# Allegro board PCIe3_0_X16_V1_0-166-20240802_20240828_pcb.brd (continued)
## Routing (per net, layer and track width the routed paths; a pad name or vN(x,y) marks a point on that pad's centre or on a via; arc(x,y) is an arc through that point)
GND: length 1728.9
  TOP w0.203: U31.4 128.87,95.28 v2(129.14,95.55) ; 135.25,25.98 135.51,25.72 U28.20 ; v2(84.06,25.32) 83.71,25.68 U33.4 ; U23.1 104.31,99.96 104.26,99.91 v2(104.1,99.52) ; v2(92.67,99.52) 92.83,99.91 92.88,99.96 U20.1 ; v2(135.07,22.43) 134.68,22.81 U28.26 ; v2(136.34,22.43) 136.01,22.1 U28.4 ; U34.4 133.2,103.84 U34.11 U34.8 ; U33.8 v2(84.57,26.18)
  TOP w0.305: U1.F38 v1(94.32,82.23) U1.F39 v1(94.32,83.23) ; U1.F38 v1(95.32,81.23) ; U1.F38 v1(94.32,81.23) ; v1(103.32,62.23) U1.R19 v1(104.32,63.23) U1.T20 ; U12.C9 v1(137.29,54.76) ; U1.AD39 v1(113.32,82.23) ; U1.AD39 v1(112.32,83.23) ; U1.AD39 v1(112.32,82.23) ; U1.AD39 v1(113.32,83.23) U1.AE39 ; v1(113.32,82.23) U1.AD38 ; v1(113.32,82.23) U1.AE38 ; v1(113.32,82.23) U1.AE39 ; U5.H9 v1(76.35,85.27) ; U1.AL29 v1(120.32,73.23) ; U1.AF38 v1(114.32,82.23) ; U1.AF38 v1(115.32,81.23) ; U1.AF38 v1(115.32,82.23) ; U1.AF38 v1(114.32,81.23) ; v1(114.32,82.23) U1.AE39 ; v1(114.32,82.23) U1.AF39 ; v1(114.32,82.23) U1.AE38 ; U1.V20 v1(106.32,63.23) U1.U19 v1(105.32,62.23) U1.T18 v1(104.32,61.23) U1.R17 v1(103.32,60.23) ; U1.N36 v1(102.32,80.23) ; v1(102.32,80.23) U1.P37 ; v1(102.32,80.23) U1.N37 ; U1.AU38 v1(126.32,82.23) ; U1.AU38 v1(125.32,81.23) ; U1.AU38 v1(125.32,82.23) ; U1.AU38 v1(126.32,81.23) ; v1(126.32,82.23) U1.AV39 ; v1(126.32,82.23) U1.AV38 ; v1(126.32,82.23) U1.AU39 ; U1.AA39 v1(109.32,82.23) ; U1.AA39 v1(110.32,83.23) U1.AB39 ; U1.AA39 v1(110.32,82.23) ; U1.AA39 v1(109.32,83.23) ; v1(109.32,82.23) U1.Y39 ; v1(109.32,82.23) U1.AA38 ; v1(109.32,82.23) U1.Y38 v1(109.32,81.23) ; U1.U37 v1(106.32,81.23) ; U1.U37 v1(105.32,81.23) ; U1.U37 v1(105.32,80.23) ; v1(106.32,81.23) U1.V38 ; v1(106.32,81.23) U1.V37 v1(107.32,81.23) ; v1(106.32,81.23) U1.U38 ; U1.AV37 v1(127.32,81.23) ; U1.AV37 v1(126.32,80.23) ; U1.AV37 v1(127.32,80.23) ; U1.AV37 v1(126.32,81.23) ; v1(127.32,81.23) U1.AW37 v1(127.32,80.23) ; v1(127.32,81.23) U1.AW38 v1(127.32,82.23) ; v1(127.32,81.23) U1.AV38 ; U10.A8 v1(135.69,79.1) ; U1.U4 v1(105.32,47.23) U1.T3 ; v1(95.32,80.23) U1.F37 ; v1(95.32,80.23) U1.G36 v1(95.32,79.23) ; v1(95.32,80.23) U1.G37 v1(95.32,81.23) ; U1.F37 v1(94.32,80.23) ; U1.F37 v1(95.32,81.23) ; U1.F37 v1(94.32,81.23) ; v1(125.32,81.23) U1.AT38 v1(125.32,82.23) ; v1(125.32,81.23) U1.AU37 ; v1(125.32,81.23) U1.AT37 v1(125.32,80.23) ; U1.AL38 v1(119.32,82.23) ; U1.AL38 v1(119.32,81.23) ; U1.AL38 v1(120.32,82.23) ; U1.AL38 v1(120.32,81.23) ; v1(119.32,82.23) U1.AK38 ; v1(119.32,82.23) U1.AL39 ; v1(119.32,82.23) U1.AK39 v1(118.32,82.23) ; U4.E8 v1(78.75,73.5) ; v1(77.15,60.93) U8.G8 ; v1(116.32,82.23) U1.AH38 ; v1(116.32,82.23) U1.AG39 ; v1(116.32,82.23) U1.AG38 ; v1(116.32,82.23) U1.AH39 v1(117.32,82.23) ; U1.AH38 v1(117.32,81.23) ; U1.AH38 v1(116.32,81.23) ; U1.AH38 v1(117.32,82.23) ; v1(100.32,81.23) U1.M38 v1(100.32,82.23) ; v1(100.32,81.23) U1.M37 ; v1(100.32,81.23) U1.L37 ; v1(100.32,81.23) U1.L38 ; U1.V38 v1(107.32,81.23) ; U1.V38 v1(106.32,82.23) ; U1.V38 v1(107.32,82.23) ; U6.T1 v1(69.15,54.76) ; v1(97.32,77.23) U1.J33 v1(98.32,76.23) ; v1(97.32,77.23) U1.H34 ; v1(97.32,77.23) U1.J34 ; U1.AK33 v1(119.32,77.23) U1.AL34 ; U1.AK33 v1(118.32,76.23) ; U1.AK33 v1(119.32,76.23) ; U6.E3 v1(78.75,53.16) ; U13.D2 v1(138.09,60.93) ; U1.AU21 v1(126.32,65.23) ; U1.AV5 v1(126.32,48.23) ; v1(126.32,48.23) U1.AU4 ; v1(126.32,48.23) U1.AU5 v1(125.32,49.23) ; U1.F6 v1(94.32,49.23) U1.E6 ; C251.2 v1(154.04,95.53) C249.2 ; U1.AG37 v1(115.32,81.23) ; U1.AG37 v1(116.32,80.23) ; U1.AG37 v1(116.32,81.23) ; v1(115.32,81.23) U1.AF37 ; v1(115.32,81.23) U1.AG38 ; U1.T32 v1(105.32,76.23) U1.U32 ; U1.T32 v1(104.32,76.23) U1.R32 v1(103.32,75.23) ; U1.T32 v1(105.32,75.23) ; U1.T2 v1(104.32,45.23) U1.T1 v1(104.32,44.23) ; U1.T2 v1(104.32,46.23) U1.T3 ; U1.T2 v1(105.32,46.23) ; U4.A8 v1(81.95,73.5) ; U11.E1 v1(138.89,34.98) ; U1.W29 v1(107.32,73.23) U1.V30 v1(106.32,74.23) U1.U31 v1(105.32,75.23) ; U11.D8 v1(138.09,41.38) ; U1.T38 v1(105.32,82.23) ; U1.T38 104.32,82.23 ; U1.T38 104.32,81.23 ; U1.T38 v1(105.32,81.23) ; v1(105.32,82.23) U1.U38 ; v1(105.32,82.23) U1.T39 104.32,82.23 ; v1(105.32,82.23) U1.U39 v1(106.32,82.23) ; U1.AE4 v1(114.32,47.23) ; v1(114.32,47.23) U1.AF3 ; v1(114.32,47.23) U1.AE3 v1(114.32,46.23) ; v1(103.32,47.23) U1.R3 v1(103.32,46.23) ; v1(103.32,47.23) U1.P3 ; v1(103.32,47.23) U1.R4 ; v1(109.32,81.23) U1.AA37 ; v1(109.32,81.23) U1.AA38 ; v1(109.32,81.23) U1.Y37 ; U1.D8 v1(92.32,51.23) ; v1(92.32,51.23) U1.C8 v1(91.32,51.23) U1.B8 v1(90.32,51.23) U1.A8 v1(89.32,51.23) ; v1(92.32,51.23) U1.D7 ; U1.K24 v1(98.32,68.23) ; U1.AN3 v1(121.32,46.23) ; U1.AN3 v1(122.32,47.23) U1.AN4 ; U1.AN3 v1(122.32,46.23) ; v1(121.32,46.23) U1.AM3 ; v1(121.32,46.23) U1.AM2 ; v1(79.55,60.93) U8.D8 79.15,61.33 v1(79.55,61.73) ; U12.E1 v1(138.89,47.56) ; U1.W27 v1(107.32,71.23) U1.V28 v1(106.32,72.23) U1.U29 v1(105.32,73.23) U1.T30 v1(104.32,74.23) U1.R31 v1(103.32,75.23) ; U5.E8 v1(78.75,86.07) ; U5.E9 v1(78.75,85.27) ; U1.P3 v1(102.32,46.23) U1.P2 ; U1.P3 v1(103.32,46.23) ; U1.D2 v1(93.32,46.23) ; U1.D2 v1(92.32,46.23) U1.D3 ; U1.D2 v1(92.32,45.23) U1.D1 v1(92.32,44.23) ; v1(93.32,46.23) U1.D3 ; v1(93.32,46.23) U1.E3 ; U1.E6 v1(93.32,50.23) ; U1.E6 v1(93.32,49.23) ; U1.J6 v1(97.32,49.23) U1.H6 ; U1.J6 v1(97.32,50.23) ; U1.J6 v1(98.32,50.23) ; U1.AU39 v1(125.32,83.23) U1.AT39 ; U1.AU39 v1(125.32,82.23) ; U1.A21 v1(89.32,65.23) ; v1(97.32,82.23) U1.J38 U1.K38 ; v1(97.32,82.23) U1.H38 v1(97.32,81.23) ; v1(97.32,82.23) U1.J39 U1.K39 v1(99.32,82.23) ; v1(97.32,82.23) U1.H39 ; C254.2 v2(154.04,91.31) C248.2 ; U1.AM34 v1(121.32,78.23) U1.AN34 ; U1.AM34 v1(120.32,78.23) U1.AL34 ; U1.AM34 v1(120.32,77.23) ; v1(117.32,81.23) U1.AJ37 ; v1(117.32,81.23) U1.AJ38 ; v1(117.32,81.23) U1.AH37 ; U9.T1 v1(148.49,85.27) ; v1(92.32,76.23) U1.C32 v1(91.32,76.23) U1.B32 v1(90.32,76.23) ; v1(92.32,76.23) U1.D33 v1(93.32,76.23) ; v1(92.32,76.23) U1.D32 v1(93.32,76.23) ; U1.AD37 v1(112.32,81.23) ; U1.AD37 v1(112.32,80.23) U1.AC36 ; U1.AD37 v1(113.32,81.23) ; v1(112.32,81.23) U1.AC37 v1(111.32,81.23) ; v1(112.32,81.23) U1.AD38 ; v1(112.32,81.23) U1.AC38 ; v1(117.32,82.23) U1.AJ39 v1(118.32,82.23) ; v1(117.32,82.23) U1.AJ38 ; U1.G34 v1(95.32,78.23) U1.F34 ; U1.G34 v1(95.32,77.23) ; U1.G34 v1(96.32,78.23) U1.H34 ; U7.C9 v1(80.35,34.98) ; U1.AD2 v1(113.32,46.23) U1.AD3 ; U1.AD2 v1(112.32,46.23) ; U1.AD2 v1(112.32,45.23) U1.AD1 v1(112.32,44.23) ; U5.T1 v1(69.15,92.47) ; U1.T34 v1(104.32,78.23) ; U10.E3 v1(138.89,74.3) ; U1.AB6 v1(111.32,49.23) ; v1(114.32,73.23) U1.AE29 v1(113.32,72.23) U1.AD28 v1(112.32,71.23) U1.AC27 v1(111.32,70.23) U1.AB26 v1(110.32,69.23) U1.AA25 v1(109.32,68.23) U1.Y24 ; U11.N1 v1(146.09,34.98) ; v1(116.32,80.23) U1.AH37 ; v1(116.32,80.23) U1.AG36 ; U12.M9 v1(145.29,54.76) ; U1.M28 v1(100.32,72.23) ; v1(121.32,82.23) U1.AM39 v1(120.32,82.23) ; v1(121.32,82.23) U1.AM38 ; v1(121.32,82.23) U1.AN38 v1(121.32,81.23) ; v1(121.32,82.23) U1.AN39 ; U7.H1 v1(76.35,42.18) ; U17.11 54.33,39.08 v1(54.3,39.1) ; U12.A8 v1(135.69,53.96) ; U1.A36 v1(90.32,79.23) U1.B35 v1(91.32,79.23) ; U1.A36 v1(89.32,80.23) U1.A37 v1(89.32,81.23) U1.A38 ; U1.A36 v1(89.32,79.23) U1.A35 v1(90.32,78.23) U1.B34 v1(91.32,78.23) U1.C35 v1(91.32,79.23) ; C413.1 v2(185.98,33.95) ; v1(102.32,55.23) U1.P12 v1(103.32,56.23) U1.R13 v1(104.32,57.23) U1.T14 v1(105.32,58.23) U1.U15 v1(106.32,59.23) U1.V16 v1(107.32,60.23) U1.W17 ; U1.U36 v1(105.32,80.23) ; v1(105.32,80.23) U1.T37 ; U12.E8 v1(138.89,53.96) ; v1(119.32,76.23) U1.AL33 v1(120.32,77.23) ; v1(119.32,76.23) U1.AK32 v1(118.32,76.23) ; U1.J7 v1(98.32,50.23) ; U1.J7 v1(97.32,50.23) ; U1.J7 v1(98.32,51.23) U1.K8 v1(99.32,51.23) ; v1(98.32,50.23) U1.K7 v1(99.32,51.23) ; U1.AC32 v1(112.32,76.23) U1.AD32 ; U1.AC32 v1(112.32,75.23) ; U1.AC32 v1(111.32,76.23) U1.AB32 ; v1(100.32,82.23) U1.L39 v1(99.32,82.23) ; v1(100.32,82.23) U1.L38 ; v1(100.32,82.23) U1.M39 ; U1.AL37 v1(119.32,81.23) ; U1.AL37 v1(120.32,80.23) ; U1.AL37 v1(120.32,81.23) ; v1(119.32,81.23) U1.AK38 ; v1(119.32,81.23) U1.AK37 ; v1(118.32,46.23) U1.AK2 ; v1(118.32,46.23) U1.AJ3 ; v1(118.32,46.23) U1.AK3 v1(119.32,46.23) U1.AK2 ; U1.AK2 v1(118.32,45.23) U1.AK1 ; U1.AE38 v1(114.32,81.23) ; U1.AE38 v1(113.32,81.23) ; v1(114.32,81.23) U1.AF37 ; v1(114.32,81.23) U1.AE37 ; U1.AV18 v1(127.32,61.23) ; U7.G8 v1(77.15,35.78) ; U8.A2 v1(81.95,66.53) ; U1.J36 v1(97.32,80.23) ; v1(97.32,80.23) U1.H37 v1(97.32,81.23) ; v1(97.32,80.23) U1.J37 v1(97.32,81.23) ; U1.H20 v1(96.32,63.23) ; U13.E1 v1(138.89,60.13) ; v1(123.32,80.23) U1.AR37 v1(123.32,81.23) ; v1(123.32,80.23) U1.AR36 ; v1(123.32,80.23) U1.AP37 v1(123.32,81.23) ; U1.U32 v1(105.32,75.23) ; U1.U32 v1(106.32,76.23) U1.V32 ; U1.W19 U1.Y20 v1(109.32,63.23) U1.AA19 v1(110.32,62.23) U1.AB18 v1(111.32,61.23) U1.AC17 v1(112.32,60.23) U1.AD16 v1(113.32,59.23) U1.AE15 v1(114.32,58.23) U1.AF14 ; U1.AG11 v1(116.32,54.23) ; U4.N1 v1(71.55,79.9) ; U1.AK38 v1(118.32,82.23) ; U1.AK38 v1(118.32,81.23) ; U1.R8 v1(104.32,51.23) U1.T8 v1(105.32,52.23) ; U1.R8 v1(103.32,51.23) ; U1.R8 v1(103.32,52.23) U1.R9 v1(104.32,53.23) ; U1.T37 v1(105.32,81.23) ; U1.T37 104.32,81.23 ; v1(105.32,81.23) U1.U38 ; U1.AL6 v1(120.32,49.23) U1.AM6 ; U8.F1 v1(77.95,67.33) ; v1(99.32,75.23) U1.L32 v1(100.32,76.23) U1.M32 ; v1(99.32,75.23) U1.K32 v1(98.32,76.23) ; v1(99.32,75.23) U1.L31 ; C3.2 v2(37.71,103.91) ; v1(112.32,75.23) U1.AD32 ; v1(112.32,75.23) U1.AC31 v1(111.32,74.23) U1.AB30 v1(110.32,73.23) U1.AA29 v1(109.32,72.23) U1.Y28 ; U1.AH37 v1(116.32,81.23) ; U5.E3 v1(78.75,90.87) ; v1(106.32,82.23) U1.V39 v1(107.32,82.23) ; v1(106.32,82.23) U1.U38 ; U1.AD38 v1(113.32,81.23) ; U1.AD38 v1(112.32,82.23) ; U12.H9 v1(141.29,54.76) ; U1.G4 v1(95.32,47.23) ; v1(95.32,47.23) U1.G3 v1(95.32,46.23) ; v1(95.32,47.23) U1.F3 ; U5.A2 v1(81.95,91.67) ; U1.B18 v1(90.32,61.23) ; U9.D2 v1(138.09,86.07) ; U1.AR27 v1(123.32,70.23) ; U1.AL4 v1(120.32,47.23) U1.AM3 ; U7.E9 v1(78.75,34.98) ; v1(103.32,71.23) U1.R27 v1(104.32,70.23) U1.T26 v1(105.32,69.23) U1.U25 v1(106.32,68.23) U1.V24 v1(107.32,67.23) U1.W23 ; U1.R38 104.32,81.23 ; U1.R38 v1(103.32,82.23) ; U1.R38 v1(103.32,81.23) ; 104.32,81.23 U1.R37 ; U1.AV36 v1(127.32,79.23) ; U1.AV36 v1(127.32,80.23) ; U1.AV36 v1(126.32,80.23) ; U1.AV36 v1(126.32,79.23) ; v1(127.32,79.23) U1.AV35 v1(126.32,79.23) ; v1(127.32,79.23) U1.AW36 v1(127.32,80.23) ; v1(127.32,79.23) U1.AW35 ; U12.E9 v1(138.89,54.76) ; U1.AD20 v1(113.32,63.23) U1.AE19 v1(114.32,62.23) ; U1.AJ15 v1(118.32,58.23) ; U1.H34 v1(97.32,78.23) U1.J34 ; U13.H9 v1(141.29,67.33) ; U1.AH34 v1(117.32,78.23) ; U1.Y22 v1(109.32,66.23) U1.AA23 v1(110.32,67.23) U1.AB24 v1(111.32,68.23) U1.AC25 v1(112.32,69.23) U1.AD26 v1(113.32,70.23) U1.AE27 v1(114.32,71.23) ; v1(138.89,86.87) U9.E3 v1(138.89,87.67) ; v1(120.32,77.23) U1.AL34 ; v1(135.69,90.87) U9.A8 v1(135.69,91.67) ; v1(125.32,76.23) U1.AU32 v1(126.32,76.23) U1.AV32 v1(127.32,76.23) U1.AW32 ; v1(125.32,76.23) U1.AT32 ; v1(125.32,76.23) U1.AT33 ; v1(114.32,60.23) U1.AE17 v1(113.32,61.23) U1.AD18 v1(112.32,62.23) U1.AC19 v1(111.32,63.23) U1.AB20 ; v1(118.32,82.23) U1.AJ38 ; U1.V6 v1(106.32,49.23) ; U1.AT33 v1(124.32,77.23) ; U1.AT33 v1(125.32,77.23) ; v1(124.32,77.23) U1.AR34 v1(123.32,78.23) U1.AP34 ; v1(124.32,77.23) U1.AR33 ; v1(107.32,82.23) U1.W38 v1(107.32,81.23) ; v1(107.32,82.23) U1.W39 ; U1.F2 v1(95.32,46.23) ; U1.F2 v1(94.32,45.23) U1.F1 v1(94.32,44.23) ; U1.F2 v1(94.32,46.23) ; v1(95.32,46.23) U1.F3 ; v1(115.32,75.23) U1.AG32 ; v1(115.32,75.23) U1.AG31 ; v1(115.32,75.23) U1.AF32 ; U1.AG32 v1(116.32,76.23) U1.AH32 v1(117.32,76.23) U1.AJ32 v1(118.32,76.23) ; U1.AG32 v1(115.32,76.23) U1.AF32 ; U14.11 v2(56.96,93.1) ; U6.B2 v1(81.15,53.96) ; U10.N1 v1(146.09,72.7) ; v1(93.32,78.23) U1.E34 v1(94.32,77.23) ; U1.AM3 v1(120.32,46.23) ; U10.H1 v1(141.29,72.7) ; v1(107.32,81.23) U1.W37 ; v1(113.32,81.23) U1.AE37 ; v1(91.32,48.23) U1.C4 v1(91.32,47.23) U1.C3 v1(91.32,46.23) U1.B2 v1(90.32,45.23) ; v1(91.32,48.23) U1.B5 ; v1(91.32,48.23) U1.C5 ; U1.AF37 v1(114.32,80.23) ; U12.A2 v1(135.69,48.36) ; R262.1 v2(130.85,22.81) ; U1.AE21 v1(114.32,65.23) ; C394.1 v2(185.98,53) ; U1.Y30 v1(109.32,74.23) U1.AA31 v1(110.32,75.23) ; v1(122.32,44.23) U1.AP1 v1(122.32,45.23) U1.AP2 ; U7.F1 v1(77.95,42.18) ; v1(107.32,46.23) U1.V3 v1(106.32,46.23) U1.V2 ; v1(107.32,46.23) U1.W3 ; v1(107.32,46.23) U1.V2 ; v1(90.32,45.23) U1.A2 v1(89.32,45.23) ; v1(90.32,45.23) U1.B1 v1(90.32,44.23) ; U1.V18 v1(106.32,61.23) U1.U17 v1(105.32,60.23) U1.T16 v1(104.32,59.23) U1.R15 v1(103.32,58.23) ; U1.A4 v1(90.32,48.23) ; U1.A4 v1(89.32,48.23) U1.A5 ; U1.A4 v1(89.32,47.23) U1.A3 ; v1(90.32,48.23) U1.B5 ; v1(90.32,48.23) U1.A5 ; v1(116.32,81.23) U1.AG38 ; U1.U21 v1(105.32,65.23) U1.T22 v1(104.32,66.23) U1.R23 v1(103.32,67.23) ; U4.A2 v1(81.95,79.1) ; v1(122.32,46.23) U1.AP2 ; v1(122.32,46.23) U1.AP3 v1(123.32,46.23) ; U1.AP2 v1(123.32,46.23) ; U12.E3 v1(138.89,49.16) ; U1.AU37 v1(126.32,81.23) ; U1.AU37 v1(126.32,80.23) ; U1.AU37 v1(125.32,80.23) ; v1(126.32,81.23) U1.AV38 ; U1.H30 v1(96.32,74.23) ; U1.E3 v1(93.32,47.23) ; U1.E3 v1(94.32,46.23) ; v1(93.32,47.23) U1.E4 ; v1(93.32,47.23) U1.D3 ; v1(120.32,44.23) U1.AM1 v1(120.32,45.23) U1.AM2 ; v1(103.32,82.23) U1.P39 v1(102.32,82.23) ; v1(103.32,82.23) U1.R39 104.32,82.23 ; v1(103.32,82.23) U1.P38 ; v1(120.32,46.23) U1.AM2 ; v1(120.32,46.23) U1.AL3 ; U1.AM38 v1(120.32,82.23) ; U1.AM38 v1(121.32,81.23) ; U1.AM38 v1(120.32,81.23) ; U1.AF39 v1(115.32,82.23) ; U1.AF39 v1(114.32,83.23) U1.AE39 ; v1(115.32,82.23) U1.AG38 ; U1.E37 v1(94.32,81.23) ; U1.E37 v1(93.32,81.23) ; U1.E37 v1(94.32,80.23) ; U1.E37 v1(93.32,80.23) ; U6.D2 v1(79.55,53.96) ; v1(111.32,82.23) U1.AB38 ; v1(111.32,82.23) U1.AC39 ; v1(111.32,82.23) U1.AB39 ; v1(111.32,82.23) U1.AC38 ; U1.AB38 v1(111.32,81.23) ; U1.AB38 v1(110.32,82.23) ; U1.AB38 v1(110.32,81.23) ; U1.AF24 v1(114.32,67.23) U1.AE23 v1(113.32,66.23) U1.AD22 v1(112.32,65.23) U1.AC21 ; U5.K1 v1(73.95,92.47) ; U9.C9 v1(137.29,92.47) ; v1(111.32,81.23) U1.AC38 ; v1(111.32,81.23) U1.AB37 v1(110.32,81.23) ; U4.E3 v1(78.75,78.3) ; U1.AV28 v1(126.32,71.23) ; v1(118.32,81.23) U1.AJ38 ; v1(118.32,81.23) U1.AJ37 ; v1(118.32,81.23) U1.AK37 ; v1(126.32,79.23) U1.AU36 ; v1(126.32,79.23) U1.AU35 v1(125.32,79.23) U1.AU36 ; U1.AV39 v1(127.32,83.23) ; U1.AV39 v1(127.32,82.23) ; U1.AF34 v1(115.32,78.23) ; U13.A8 v1(135.69,66.53) ; v1(90.32,49.23) U1.A5 ; v1(90.32,49.23) U1.B6 ; v1(90.32,49.23) U1.B5 ; v1(103.32,54.23) U1.R11 v1(104.32,55.23) U1.T12 v1(105.32,56.23) U1.U13 v1(106.32,57.23) U1.V14 ; U1.AR3 v1(124.32,46.23) ; U1.AR3 v1(124.32,47.23) ; U1.AR3 v1(123.32,46.23) ; v1(124.32,46.23) U1.AT2 ; v1(124.32,46.23) U1.AT3 ; U1.AD6 v1(113.32,49.23) ; v1(114.32,46.23) U1.AF3 ; v1(114.32,46.23) U1.AF2 ; U1.Y34 v1(109.32,78.23) U1.AA35 v1(110.32,79.23) ; U9.E9 v1(138.89,92.47) ; U8.C9 v1(80.35,60.13) ; v1(90.32,82.23) U1.B39 v1(90.32,83.23) ; v1(90.32,82.23) U1.B38 v1(91.32,81.23) U1.C37 ; v1(90.32,82.23) U1.A38 ; U1.W35 v1(107.32,79.23) ; U1.AC39 v1(111.32,83.23) U1.AB39 ; U1.AC39 v1(112.32,82.23) ; U1.AB32 v1(110.32,76.23) U1.AA32 ; U1.AB32 v1(110.32,75.23) ; U1.AG21 v1(116.32,65.23) ; v1(123.32,81.23) U1.AR38 v1(123.32,82.23) ; v1(123.32,81.23) U1.AP38 v1(123.32,82.23) ; v1(99.32,82.23) U1.L38 ; v1(99.32,82.23) U1.K38 ; U1.K2 v1(98.32,45.23) U1.K1 v1(98.32,44.23) ; U1.K2 v1(99.32,46.23) ; U1.K2 v1(98.32,46.23) ; v1(112.32,46.23) U1.AD3 ; v1(112.32,46.23) U1.AC3 ; U1.AU36 v1(126.32,80.23) ; U1.AU36 v1(125.32,80.23) ; U1.AB2 v1(111.32,46.23) U1.AB3 v1(110.32,46.23) ; U1.AB2 v1(110.32,45.23) U1.AB1 v1(110.32,44.23) ; U1.AB2 v1(110.32,46.23) ; U1.AJ3 v1(118.32,47.23) U1.AJ4 ; U1.AJ3 v1(117.32,46.23) ; U13.K9 v1(143.69,67.33) ; U1.F3 v1(94.32,46.23) ; J3.1 v1(44.04,96.68) ; U1.L38 v1(99.32,81.23) ; U7.A2 v1(81.95,41.38) ; v1(118.32,51.23) U1.AK7 v1(119.32,51.23) U1.AK8 v1(118.32,51.23) ; v1(118.32,51.23) U1.AJ8 v1(117.32,51.23) U1.AH8 v1(116.32,51.23) U1.AG8 v1(115.32,51.23) U1.AF8 ; U10.E8 v1(138.89,79.1) ; U1.AU11 v1(126.32,54.23) ; U1.AM16 v1(121.32,59.23) ; C250.2 v1(154.04,82.5) ; U1.AB39 v1(110.32,82.23) ; U5.A8 v1(81.95,86.07) ; U1.AW15 v1(128.32,59.23) ; U1.F16 v1(95.32,59.23) ; U1.M3 v1(100.32,46.23) U1.M2 v1(100.32,45.23) U1.M1 v1(100.32,44.23) ; U1.M3 v1(101.32,47.23) ; U1.M3 v1(101.32,46.23) U1.N3 v1(101.32,47.23) ; v1(114.32,56.23) U1.AE13 v1(113.32,57.23) U1.AD14 v1(112.32,58.23) U1.AC15 v1(111.32,59.23) ; U1.J34 v1(98.32,77.23) U1.K33 v1(98.32,76.23) ; U1.V32 v1(107.32,76.23) U1.W32 v1(107.32,75.23) ; U1.V32 v1(107.32,75.23) ; U6.N1 v1(71.55,54.76) ; U13.B2 v1(136.49,60.93) ; U13.K1 v1(143.69,60.13) ; U9.K1 v1(143.69,85.27) ; U6.E1 v1(78.75,54.76) ; U4.E1 v1(78.75,79.9) ; U1.AN13 v1(122.32,56.23) ; U1.AN37 v1(121.32,81.23) ; v1(121.32,81.23) U1.AM37 ; U1.P6 v1(102.32,49.23) ; U1.M6 v1(100.32,49.23) ; v1(120.32,80.23) U1.AM37 ; v1(120.32,80.23) U1.AL36 ; U9.F1 v1(139.69,85.27) ; U1.P2 v1(103.32,46.23) ; U1.P2 v1(102.32,45.23) U1.P1 v1(102.32,44.23) ; U1.AC38 v1(112.32,82.23) ; v1(94.32,80.23) U1.E36 v1(93.32,80.23) ; U1.H6 v1(96.32,49.23) U1.G6 ; U1.H6 v1(97.32,50.23) ; v1(110.32,81.23) U1.AA37 ; v1(110.32,81.23) U1.AA38 ; U1.Y14 v1(109.32,57.23) U1.AA13 v1(110.32,56.23) U1.AB12 v1(111.32,55.23) U1.AC11 v1(112.32,54.23) ; R279.2 v1(130.85,92.13) ; U1.AM26 v1(120.32,69.23) ; U1.AT2 v1(124.32,45.23) U1.AT1 v1(124.32,44.23) ; U1.AT2 v1(125.32,46.23) ; U1.J27 v1(97.32,71.23) ; U1.AT3 v1(124.32,47.23) ; U1.AT3 v1(125.32,46.23) ; v1(124.32,47.23) U1.AR4 v1(124.32,48.23) ; v1(125.32,82.23) U1.AT39 ; U1.AJ36 v1(118.32,80.23) ; v1(118.32,80.23) U1.AK37 ; v1(118.32,80.23) U1.AJ37 ; U8.H1 v1(76.35,67.33) ; U1.AM37 v1(120.32,81.23) ; U1.AM37 v1(121.32,80.23) U1.AN36 ; U4.T1 v1(69.15,79.9) ; U1.P37 v1(103.32,81.23) ; U1.P37 v1(103.32,80.23) ; v1(103.32,81.23) U1.P38 ; v1(103.32,81.23) U1.R37 ; v1(93.32,81.23) U1.D37 ; v1(93.32,81.23) U1.D38 ; U8.E9 v1(78.75,60.13) ; U5.D2 v1(79.55,91.67) ; U6.K1 v1(73.95,54.76) ; U7.T1 v1(69.15,42.18) ; v1(116.32,46.23) U1.AH3 v1(117.32,46.23) ; v1(116.32,46.23) U1.AG3 ; v1(116.32,46.23) U1.AH2 ; U6.M9 v1(72.35,47.56) ; U4.C9 v1(80.35,72.7) ; U1.W25 v1(107.32,69.23) U1.V26 v1(106.32,70.23) U1.U27 v1(105.32,71.23) U1.T28 v1(104.32,72.23) U1.R29 ; U1.AT39 v1(124.32,83.23) ; U12.H1 v1(141.29,47.56) ; U8.E3 v1(78.75,65.73) ; U1.J4 v1(97.32,47.23) ; v1(97.32,47.23) U1.J3 v1(98.32,46.23) ; v1(97.32,47.23) U1.H3 v1(96.32,46.23) U1.H2 v1(96.32,45.23) U1.H1 ; U1.Y26 v1(109.32,70.23) U1.AA27 v1(110.32,71.23) U1.AB28 v1(111.32,72.23) U1.AC29 v1(112.32,73.23) U1.AD30 v1(113.32,74.23) U1.AE31 v1(114.32,75.23) ; U1.AT24 v1(124.32,68.23) ; U1.U11 v1(106.32,55.23) U1.V12 v1(107.32,56.23) U1.W13 ; U13.E3 v1(138.89,61.73) ; v1(110.32,75.23) U1.AA32 ; v1(98.32,46.23) U1.K3 v1(99.32,46.23) ; U13.A2 v1(135.69,60.93) ; U1.AA5 v1(110.32,48.23) ; U1.G23 v1(95.32,67.23) ; U1.AM6 v1(121.32,49.23) U1.AN6 v1(122.32,49.23) U1.AP6 v1(123.32,49.23) U1.AR6 v1(124.32,50.23) ; U1.AM6 v1(120.32,50.23) U1.AL7 ; U1.F34 v1(94.32,77.23) ; U1.F34 v1(95.32,77.23) ; v1(94.32,77.23) U1.E33 v1(93.32,76.23) ; U6.D8 v1(79.55,48.36) ; U1.AK12 v1(118.32,56.23) ; U7.H9 v1(76.35,34.98) ; U1.AF6 v1(115.32,49.23) ; v1(128.32,51.23) U1.AW8 v1(127.32,51.23) U1.AV8 ; U4.D2 v1(79.55,79.1) ; U1.AA37 v1(109.32,80.23) U1.Y36 ; U9.K9 v1(143.69,92.47) ; U1.AL19 v1(120.32,62.23) ; D2.1 v2(43.55,104.48) ; U1.AF2 v1(114.32,45.23) U1.AF1 v1(114.32,44.23) ; U1.AF2 v1(115.32,46.23) ; v1(110.32,82.23) U1.AA38 ; U1.AG3 v1(116.32,47.23) U1.AG4 v1(116.32,48.23) ; U1.AG3 v1(115.32,46.23) ; v2(59.4,23.44) C341.2 58.72,23.44 U19.2 55.83,23.44 v2(55.58,23.18) ; U12.D8 v1(138.09,53.96) ; U7.A8 v1(81.95,35.78) ; U12.K1 v1(143.69,47.56) ; v1(111.32,59.23) U1.AB16 v1(110.32,60.23) U1.AA17 v1(109.32,61.23) U1.Y18 ; v1(111.32,59.23) U1.AB15 v1(111.32,58.23) U1.AB14 v1(111.32,57.23) U1.AC13 v1(112.32,56.23) U1.AD12 v1(113.32,55.23) U1.AE11 v1(114.32,54.23) ; U8.B2 v1(81.15,66.53) ; v1(92.32,50.23) U1.D7 ; U1.D7 v1(93.32,50.23) ; U7.D8 v1(79.55,35.78) ; v1(110.32,53.23) U1.AA10 v1(110.32,54.23) U1.AA11 v1(109.32,55.23) U1.Y12 ; U7.E8 v1(78.75,35.78) ; U1.N25 v1(101.32,69.23) ; U8.K9 v1(73.95,60.13) ; v1(116.32,50.23) U1.AH6 v1(117.32,49.23) ; U8.K1 v1(73.95,67.33) ; v1(102.32,82.23) U1.P38 ; v1(102.32,82.23) U1.N39 ; v1(102.32,82.23) U1.N38 ; U11.K9 v1(143.69,42.18) ; v1(99.32,80.23) U1.K37 v1(99.32,81.23) ; v1(99.32,80.23) U1.L36 ; v1(99.32,80.23) U1.L37 ; v1(123.32,82.23) U1.AP39 v1(123.32,83.23) U1.AR39 v1(123.32,82.23) ; J3.20 v1(49.28,82.68) ; v1(91.32,79.23) U1.C36 v1(91.32,80.23) U1.C37 ; U1.F26 v1(94.32,70.23) ; U11.E9 v1(138.89,42.18) ; U1.AB34 v1(111.32,78.23) ; U1.AF3 v1(115.32,46.23) ; v1(103.32,69.23) U1.R25 v1(104.32,68.23) U1.T24 v1(105.32,67.23) U1.U23 v1(106.32,66.23) U1.V22 v1(107.32,65.23) U1.W21 ; U1.K38 v1(99.32,81.23) ; U4.H1 v1(76.35,79.9) ; U18.2 C329.2 v2(59.4,19.5) ; U11.T1 v1(148.49,34.98) ; U13.T1 v1(148.49,60.13) ; U1.W31 v1(107.32,75.23) ; v1(114.32,75.23) U1.AE32 v1(113.32,76.23) U1.AD32 ; v1(114.32,75.23) U1.AF32 ; U10.F1 v1(139.69,72.7) ; U10.A2 v1(135.69,73.5) ; C403.1 v2(205.74,35.13) ; v1(95.32,77.23) U1.G33 ; U1.B28 v1(90.32,72.23) ; v1(99.32,46.23) U1.L3 v1(99.32,47.23) U1.L4 ; U1.T3 v1(105.32,46.23) ; v1(117.32,46.23) U1.AH2 ; U1.AL9 v1(120.32,52.23) ; U8.E1 v1(78.75,67.33) ; U11.B2 v1(136.49,35.78) ; U7.E3 v1(78.75,40.58) ; v1(128.32,45.23) U1.AW2 v1(128.32,46.23) U1.AW3 ; U1.A31 v1(90.32,74.23) ; U1.V2 v1(106.32,45.23) U1.V1 v1(106.32,44.23) ; v1(101.32,47.23) U1.N4 ; U1.AH18 v1(117.32,61.23) ; U11.K1 v1(143.69,34.98) ; U1.C37 v1(92.32,81.23) ; U10.E9 v1(138.89,79.9) ; U4.D8 v1(79.55,73.5) ; v1(125.32,51.23) U1.AT7 v1(124.32,50.23) ; v1(125.32,51.23) U1.AT8 ; v1(125.32,51.23) U1.AU8 ; U1.AH2 v1(116.32,45.23) U1.AH1 v1(116.32,44.23) ; v1(99.32,51.23) U1.L8 v1(100.32,51.23) U1.M8 v1(101.32,51.23) U1.N8 ; U2.H4 v1(115.95,103.46) ; U6.E8 v1(78.75,48.36) ; J3.19 v1(44.04,82.28) ; U1.P34 v1(103.32,78.23) ; J3.26 v1(49.28,87.48) ; U1.AK22 v1(119.32,66.23) ; J3.7 v1(44.04,91.88) ; v1(127.32,82.23) U1.AV38 ; U1.L11 v1(99.32,54.23) ; U5.D8 v1(79.55,86.07) ; U1.AT14 v1(125.32,57.23) ; U1.AD3 v1(112.32,47.23) U1.AC4 ; U7.B2 v1(81.15,41.38) ; U7.K1 v1(73.95,42.18) ; U1.AE37 v1(114.32,80.23) ; U2.H2 v1(117.95,102.46) ; v1(124.32,50.23) U1.AR7 ; U8.H9 v1(76.35,60.13) ; v1(93.32,50.23) U1.E7 ; U1.AU3 v1(125.32,46.23) ; U2.H6 v1(114.95,103.46) ; v1(93.32,80.23) U1.D37 ; U10.E1 v1(138.89,72.7) ; U1.A38 v1(89.32,82.23) ; C412.1 v2(130.85,21.79) ; U1.AA32 v1(109.32,76.23) U1.Y32 ; U1.A32 v1(89.32,76.23) ; U1.AP10 v1(123.32,53.23) ; U6.H9 v1(76.35,47.56) ; U5.H1 v1(76.35,92.47) ; U13.E8 v1(138.89,66.53) ; v1(122.32,67.23) U1.AN23 v1(122.32,66.23) ; v1(108.32,44.23) U1.Y1 v1(108.32,45.23) U1.Y2 v1(109.32,46.23) U1.Y3 v1(109.32,47.23) U1.Y4 ; U1.L37 v1(99.32,81.23) ; U1.W10 v1(107.32,54.23) U1.W11 ; U1.AE25 v1(113.32,68.23) U1.AD24 v1(112.32,67.23) U1.AC23 v1(111.32,66.23) U1.AB22 v1(110.32,65.23) U1.AA21 ; U4.M9 v1(72.35,72.7) ; U15.11 54.43,65.52 v2(54.3,65.65) ; v1(110.32,46.23) U1.AA3 ; U10.T1 v1(148.49,72.7) ; U11.E8 v1(138.89,41.38) ; U13.E9 v1(138.89,67.33) ; J3.23 v1(49.28,85.08) ; U1.V34 v1(106.32,78.23) ; U1.E19 v1(93.32,62.23) ; U1.P22 v1(103.32,65.23) U1.R21 ; U6.F1 v1(77.95,54.76) ; U2.B2 v1(118.95,96.46) ; U10.C9 v1(137.29,79.9) ; U1.AE36 v1(114.32,80.23) ; C432.1 v2(204.87,65.67) ; v1(92.32,83.23) U1.D39 v1(92.32,82.23) U1.D38 ; U6.C9 v1(80.35,47.56) ; U1.D22 v1(92.32,66.23) ; U8.E8 v1(78.75,60.93) ; U12.N1 v1(146.09,47.56) ; U5.G8 v1(77.15,86.07) ; U8.D2 v1(79.55,66.53) ; U4.B2 v1(81.15,79.1) ; U12.G8 v1(140.49,53.96) ; U1.D38 v1(92.32,81.23) ; v1(92.32,81.23) U1.D37 ; U1.R37 v1(103.32,80.23) ; U11.H9 v1(141.29,42.18) ; U1.AU31 v1(125.32,74.23) ; U1.L21 v1(100.32,65.23) ; U9.G8 v1(140.49,91.67) ; U13.M9 v1(145.29,67.33) ; C18.2 v2(63.37,108) ; U1.R36 v1(103.32,80.23) ; U1.AJ25 v1(117.32,69.23) ; U1.N15 v1(101.32,58.23) ; U6.A2 v1(81.95,53.96) ; U11.H1 v1(141.29,34.98) ; U9.N1 v1(146.09,85.27) ; U9.H9 v1(141.29,92.47) ; U1.AD34 v1(113.32,78.23) ; U4.H9 v1(76.35,72.7) ; U1.G13 v1(96.32,57.23) ; U5.M9 v1(72.35,85.27) ; U8.N1 v1(71.55,67.33) ; U7.E1 v1(78.75,42.18) ; J3.32 v1(49.28,92.28) ; U1.AR17 v1(124.32,60.23) ; U1.M34 v1(100.32,78.23) ; U5.C9 v1(80.35,85.27) ; U13.G8 v1(140.49,66.53) ; U1.P32 v1(103.32,75.23) ; U1.P32 v1(102.32,75.23) U1.N32 v1(102.32,76.23) U1.P32 ; U1.D12 v1(93.32,55.23) ; U1.E9 v1(94.32,52.23) ; C255.2 v1(154.04,86.82) C256.2 ; v1(105.32,46.23) U1.U3 ; J3.16 v1(44.04,84.68) ; U10.G8 v1(140.49,79.1) ; U7.D2 v1(79.55,41.38) ; U6.E9 v1(78.75,47.56) ; J3.13 v1(44.04,87.08) ; U9.A2 v1(135.69,86.07) ; J3.38 v1(49.28,97.08) ; U6.A8 v1(81.95,48.36) ; U11.E3 v1(138.89,36.58) ; U1.K14 v1(98.32,57.23) ; v1(77.15,73.5) U4.G8 ; U13.F1 v1(139.69,60.13) ; U8.T1 v1(69.15,67.33) ; U1.AW25 v1(127.32,69.23) ; U12.D2 v1(138.09,48.36) ; U13.N1 v1(146.09,60.13) ; U7.M9 v1(72.35,34.98) ; U12.K9 v1(143.69,54.76) ; U13.C9 v1(137.29,67.33) ; U9.H1 v1(141.29,85.27) ; U1.A11 v1(89.32,54.23) ; U5.F1 v1(77.95,92.47) ; U5.N1 v1(71.55,92.47) ; U5.K9 v1(73.95,85.27) ; D4.1 v2(47.23,104.48) ; U4.K1 v1(73.95,79.9) ; v1(138.09,66.53) U13.D8 v1(138.09,65.73) ; U1.AW5 v1(128.32,48.23) U1.AW4 ; U11.D2 v1(138.09,35.78) ; U4.K9 v1(73.95,72.7) ; U1.J17 v1(98.32,61.23) ; U1.AA8 v1(110.32,51.23) ; U1.W5 v1(107.32,48.23) ; U1.M18 v1(101.32,61.23) ; U12.F1 v1(139.69,47.56) ; U1.C15 v1(91.32,58.23) ; U10.D8 v1(138.09,79.1) ; U7.N1 v1(71.55,42.18) ; U11.A8 v1(135.69,41.38) ; U11.A2 v1(135.69,35.78) ; U8.A8 v1(81.95,60.93) ; U8.M9 v1(72.35,60.13) ; U1.AE9 v1(114.32,52.23) ; U10.B2 v1(136.49,73.5) ; C385.1 v2(183.95,98.25) ; U10.M9 v1(145.29,79.9) ; U6.K9 v1(73.95,47.56) ; U4.E9 v1(78.75,72.7) ; U12.T1 v1(148.49,47.56) ; U11.C9 v1(137.29,42.18) ; U10.H9 v1(141.29,79.9) ; U10.K1 v1(143.69,72.7) ; U1.T6 v1(104.32,49.23) ; U9.B2 v1(136.49,86.07) ; U1.Y6 v1(109.32,49.23) ; U9.M9 v1(145.29,92.47) ; U4.F1 v1(77.95,79.9) ; U10.D2 v1(138.09,73.5) ; U16.11 v2(56.96,53.33) ; U1.H10 v1(96.32,53.23) ; U6.H1 v1(76.35,54.76) ; U5.E1 v1(78.75,92.47) ; U5.B2 v1(81.15,91.67) ; U1.C25 v1(91.32,69.23) ; U1.AP30 v1(123.32,74.23) ; U9.E1 v1(138.89,85.27) ; U9.E8 v1(138.89,91.67) ; U12.B2 v1(136.49,48.36) ; J3.35 v1(49.28,94.68) ; D1.1 v2(39.99,104.48) ; J3.4 v1(44.04,94.28) ; D3.1 v2(50.91,104.48) ; U6.G8 v1(77.15,48.36) ; U7.K9 v1(73.95,34.98) ; U10.K9 v1(143.69,79.9) ; U1.W8 v1(107.32,51.23) ; U9.D8 v1(138.09,91.67) ; U13.H1 v1(141.29,60.13) ; U1.AH28 v1(117.32,72.23) ; U1.AP20 v1(123.32,63.23) ; U11.G8 v1(140.49,41.38) ; U11.M9 v1(145.29,42.18) ; U11.F1 v1(139.69,34.98)
  TOP w0.381: P2.B52 98.65,6.51 v1(98.16,7) v1(98.16,8.02) ; v2(36.71,54.99) v2(37.47,54.99) P1.B14 ; v1(102.16,8.02) v1(102.16,7) 102.65,6.51 P2.B56 ; v1(120.16,8.02) v1(120.16,7) 119.65,6.49 P2.B73 ; v1(87.16,8.02) v1(87.16,7) 86.65,6.49 P2.B40 ; v1(71.16,8.02) v1(71.16,7) 71.65,6.51 P2.B25 ; P2.B36 82.65,6.49 v1(83.16,7) v1(83.16,8.02) ; P2.B69 115.65,6.49 v1(116.16,7) v1(116.16,8.02) ; v1(122.16,8.02) v1(122.16,7) 122.65,6.51 P2.B76 ; U1.E29 v1(93.32,72.23) ; v1(112.16,8.02) v1(112.16,7) 111.65,6.49 P2.B65 ; v1(104.16,8.02) v1(104.16,7) 103.65,6.49 P2.B57 ; P2.B77 123.65,6.49 v1(124.16,7) v1(124.16,8.02) ; P1.A1 v2(32.24,73.64) ; C420.2 v2(135.63,17.98) ; v2(36.71,71.64) v2(37.47,71.64) P1.A17 ; C305.2 v1(58.42,66.73) ; v1(124.32,83.23) U1.AR39 ; P2.B68 114.65,6.51 v1(114.16,7) v1(114.16,8.02) ; v2(36.71,69.24) v2(37.47,69.24) P1.A14 ; P2.B32 78.65,6.51 v1(78.16,7) v1(78.16,8.02) ; v1(100.16,8.02) v1(100.16,7) 99.65,6.49 P2.B53 ; v2(52.6,22.53) 52.5,22.64 C342.2 50.68,22.64 ; R303.2 169.83,109.86 169.45,110.24 v2(168.68,110.24) ; P1.D11 v2(37.47,24.09) ; C160.2 v1(64.12,36.93) C157.2 ; P1.B20 37.47,59.79 v2(37.47,59.79) ; P2.B72 118.65,6.51 v1(118.16,7) v1(118.16,8.02) ; v1(69.16,8.02) v1(69.16,7) 68.65,6.49 P2.B22 ; P1.C17 v2(37.47,43.14) v2(36.71,43.14) ; P2.B64 110.65,6.51 v1(110.16,7) v1(110.16,8.02) ; v2(36.71,57.39) v2(37.47,57.39) P1.B17 ; P2.B60 106.65,6.51 v1(106.16,7) v1(106.16,8.02) ; P1.D10 v2(32.24,23.69) ; v1(59.16,8.02) v1(59.16,7) 59.66,6.5 59.66,3.46 P2.B13 ; P2.B39 85.65,6.51 v1(85.16,7) v1(85.16,8.02) ; C421.2 v2(133.59,17.98) ; v1(89.16,8.02) v1(89.16,7) 89.65,6.51 P2.B43 ; P1.D20 v2(37.47,31.29) ; v1(75.16,8.02) v1(75.16,7) 75.65,6.51 P2.B29 ; U1.AV2 U1.AV1 v1(126.82,44.06) ; C303.2 63.68,93.29 v2(63.87,93.1) ; P2.B26 72.65,6.49 v1(73.16,7) v1(73.16,8.02) ; P2.B61 107.65,6.49 v1(108.16,7) v1(108.16,8.02) ; v2(36.71,28.89) v2(37.47,28.89) P1.D17 ; P1.C14 37.47,40.74 v2(37.47,40.74) v2(36.71,40.74) ; v2(173.29,107.09) Q4.2 v2(170.92,107.09) ; P1.B11 v2(37.47,52.59) ; P1.C10 v2(32.24,37.94) ; P2.B44 90.65,6.49 v1(91.16,7) v1(91.16,8.02) ; P1.A10 32.24,66.44 v2(32.24,66.44) ; C161.2 v1(64.12,41.83) C158.2 ; P1.D14 v2(37.47,26.49) v2(36.71,26.49) ; P2.B80 126.65,6.51 v1(126.16,7) v1(126.16,8.02) ; P2.B35 81.65,6.51 v1(81.16,7) v1(81.16,8.02) ; P1.D1 v2(32.24,30.89) ; v1(62.16,8.02) v1(62.16,7) 62.65,6.51 P2.B16 ; C307.2 v1(58.42,54.53) ; C169.2 v1(64.12,32.18) ; U1.AL39 v1(120.32,82.23) ; P1.C1 v2(32.24,45.14) ; P1.C11 v2(37.47,38.34) ; P2.A18 64.65,6.99 v1(64.66,7) v1(64.66,8.02) ; v2(58.67,46.66) 58.67,46.51 58.73,46.45 Q1.2 ; P1.B10 v2(32.24,52.19) ; C309.2 v1(58.42,40.28) ; P2.B21 67.65,6.51 v1(67.16,7) v1(67.16,8.02) ; P2.A49 95.65,6.51 v1(95.16,7) v1(95.16,8.02) ; Q2.2 v2(124.22,104.74) ; C438.1 129.83,98.12 v1(130.59,97.36) ; v1(51.66,8.02) v1(51.66,7) 51.66,6.75 51.65,6.74 P2.B7 ; P1.A11 v2(37.47,66.84) ; v1(93.16,8.02) v1(93.16,7) 93.65,6.51 P2.B47 ; P1.A20 v2(37.47,74.04) ; P1.B1 v2(32.24,59.39) ; P1.C20 v2(37.47,45.54)
  TOP w0.508: P2.A4 48.65,6.99 v1(48.66,7) v1(48.66,8.02) v1(48.66,9.29)
  GND02 w0.391: 61.18,107.77 J2.5 ; J2.5 59.97,108.97 ; J2.5 62.38,108.97 ; J2.5 61.18,110.18 ; 54.86,108.97 J2.2 ; J2.2 56.07,107.77 ; J2.2 57.28,108.97 ; J2.2 56.07,110.18 ; 56.07,102.66 J2.3 ; J2.3 54.86,103.87 ; J2.3 56.07,105.07 ; J2.3 57.28,103.87 ; 204.86,92.22 TP24.1 ; TP24.1 205.94,91.14 ; TP24.1 205.94,93.3 ; TP24.1 207.02,92.22 ; 59.97,103.87 J2.4 ; J2.4 61.18,105.07 ; J2.4 62.38,103.87 ; J2.4 61.18,102.66
  ART03 w0.391: J1.2 24.99,108.84 ; J1.2 24.07,107.92 ; J1.2 24.99,106.99 ; J1.2 25.92,107.92 ; TP24.1 205.94,93.3 ; TP24.1 207.02,92.22 ; TP24.1 204.86,92.22 ; TP24.1 205.94,91.14 ; J2.3 57.28,103.87 ; J2.3 54.86,103.87 ; J2.3 56.07,102.66 ; J2.3 56.07,105.07 ; J2.5 62.38,108.97 ; J2.5 61.18,107.77 ; J2.5 61.18,110.18 ; J2.5 59.97,108.97 ; J2.4 62.38,103.87 ; J2.4 61.18,102.66 ; J2.4 61.18,105.07 ; J2.4 59.97,103.87 ; 56.07,107.77 J2.2 ; J2.2 56.07,110.18 ; J2.2 57.28,108.97 ; J2.2 54.86,108.97 ; 197.55,90.7 J5.4 ; J5.4 199.63,92.79 ; J5.4 197.55,92.79 ; J5.4 199.63,90.7 ; 34.23,107.92 J1.10 ; J1.10 36.08,107.92 ; J1.10 35.15,106.99 ; J1.10 35.15,108.84 ; J5.2 199.63,98.29 ; J5.2 199.63,96.2 ; J5.2 197.55,96.2 ; J5.2 197.55,98.29
  GND04 w0.391: TP24.1 207.02,92.22 ; TP24.1 205.94,93.3 ; TP24.1 204.86,92.22 ; TP24.1 205.94,91.14
  ART05 w0.391: J2.3 56.07,105.07 ; J2.3 54.86,103.87 ; J2.3 57.28,103.87 ; J2.3 56.07,102.66 ; 35.15,106.99 J1.10 ; J1.10 34.23,107.92 ; J1.10 35.15,108.84 ; J1.10 36.08,107.92 ; TP24.1 205.94,93.3 ; TP24.1 207.02,92.22 ; TP24.1 205.94,91.14 ; TP24.1 204.86,92.22 ; 59.97,103.87 J2.4 ; J2.4 61.18,105.07 ; J2.4 61.18,102.66 ; J2.4 62.38,103.87 ; J2.2 56.07,110.18 ; J2.2 57.28,108.97 ; J2.2 54.86,108.97 ; J2.2 56.07,107.77 ; 197.55,92.79 J5.4 ; J5.4 199.63,92.79 ; J5.4 197.55,90.7 ; J5.4 199.63,90.7 ; 197.55,96.2 J5.2 ; J5.2 197.55,98.29 ; J5.2 199.63,98.29 ; J5.2 199.63,96.2 ; J1.2 25.92,107.92 ; J1.2 24.07,107.92 ; J1.2 24.99,108.84 ; J1.2 24.99,106.99 ; 61.18,107.77 J2.5 ; J2.5 62.38,108.97 ; J2.5 61.18,110.18 ; J2.5 59.97,108.97
  GND06 w0.391: TP24.1 205.94,93.3 ; TP24.1 205.94,91.14 ; TP24.1 207.02,92.22 ; TP24.1 204.86,92.22
  POWER07 w0.391: TP24.1 205.94,93.3 ; TP24.1 204.86,92.22 ; TP24.1 205.94,91.14 ; TP24.1 207.02,92.22
  POWER08 w0.391: 205.94,91.14 TP24.1 ; TP24.1 205.94,93.3 ; TP24.1 204.86,92.22 ; TP24.1 207.02,92.22 ; J5.4 199.63,90.7 ; J5.4 197.55,92.79 ; J5.4 199.63,92.79 ; J5.4 197.55,90.7 ; 197.55,96.2 J5.2 ; J5.2 197.55,98.29 ; J5.2 199.63,96.2 ; J5.2 199.63,98.29
  GND09 w0.391: 204.86,92.22 TP24.1 ; TP24.1 207.02,92.22 ; TP24.1 205.94,91.14 ; TP24.1 205.94,93.3
  ART10 w0.391: TP24.1 205.94,93.3 ; TP24.1 205.94,91.14 ; TP24.1 207.02,92.22 ; TP24.1 204.86,92.22 ; 24.07,107.92 J1.2 ; J1.2 24.99,106.99 ; J1.2 24.99,108.84 ; J1.2 25.92,107.92 ; J1.10 36.08,107.92 ; J1.10 35.15,108.84 ; J1.10 34.23,107.92 ; J1.10 35.15,106.99